# Altium PCB Evaluation Board.PcbDoc (part 7 of 22) (continued)
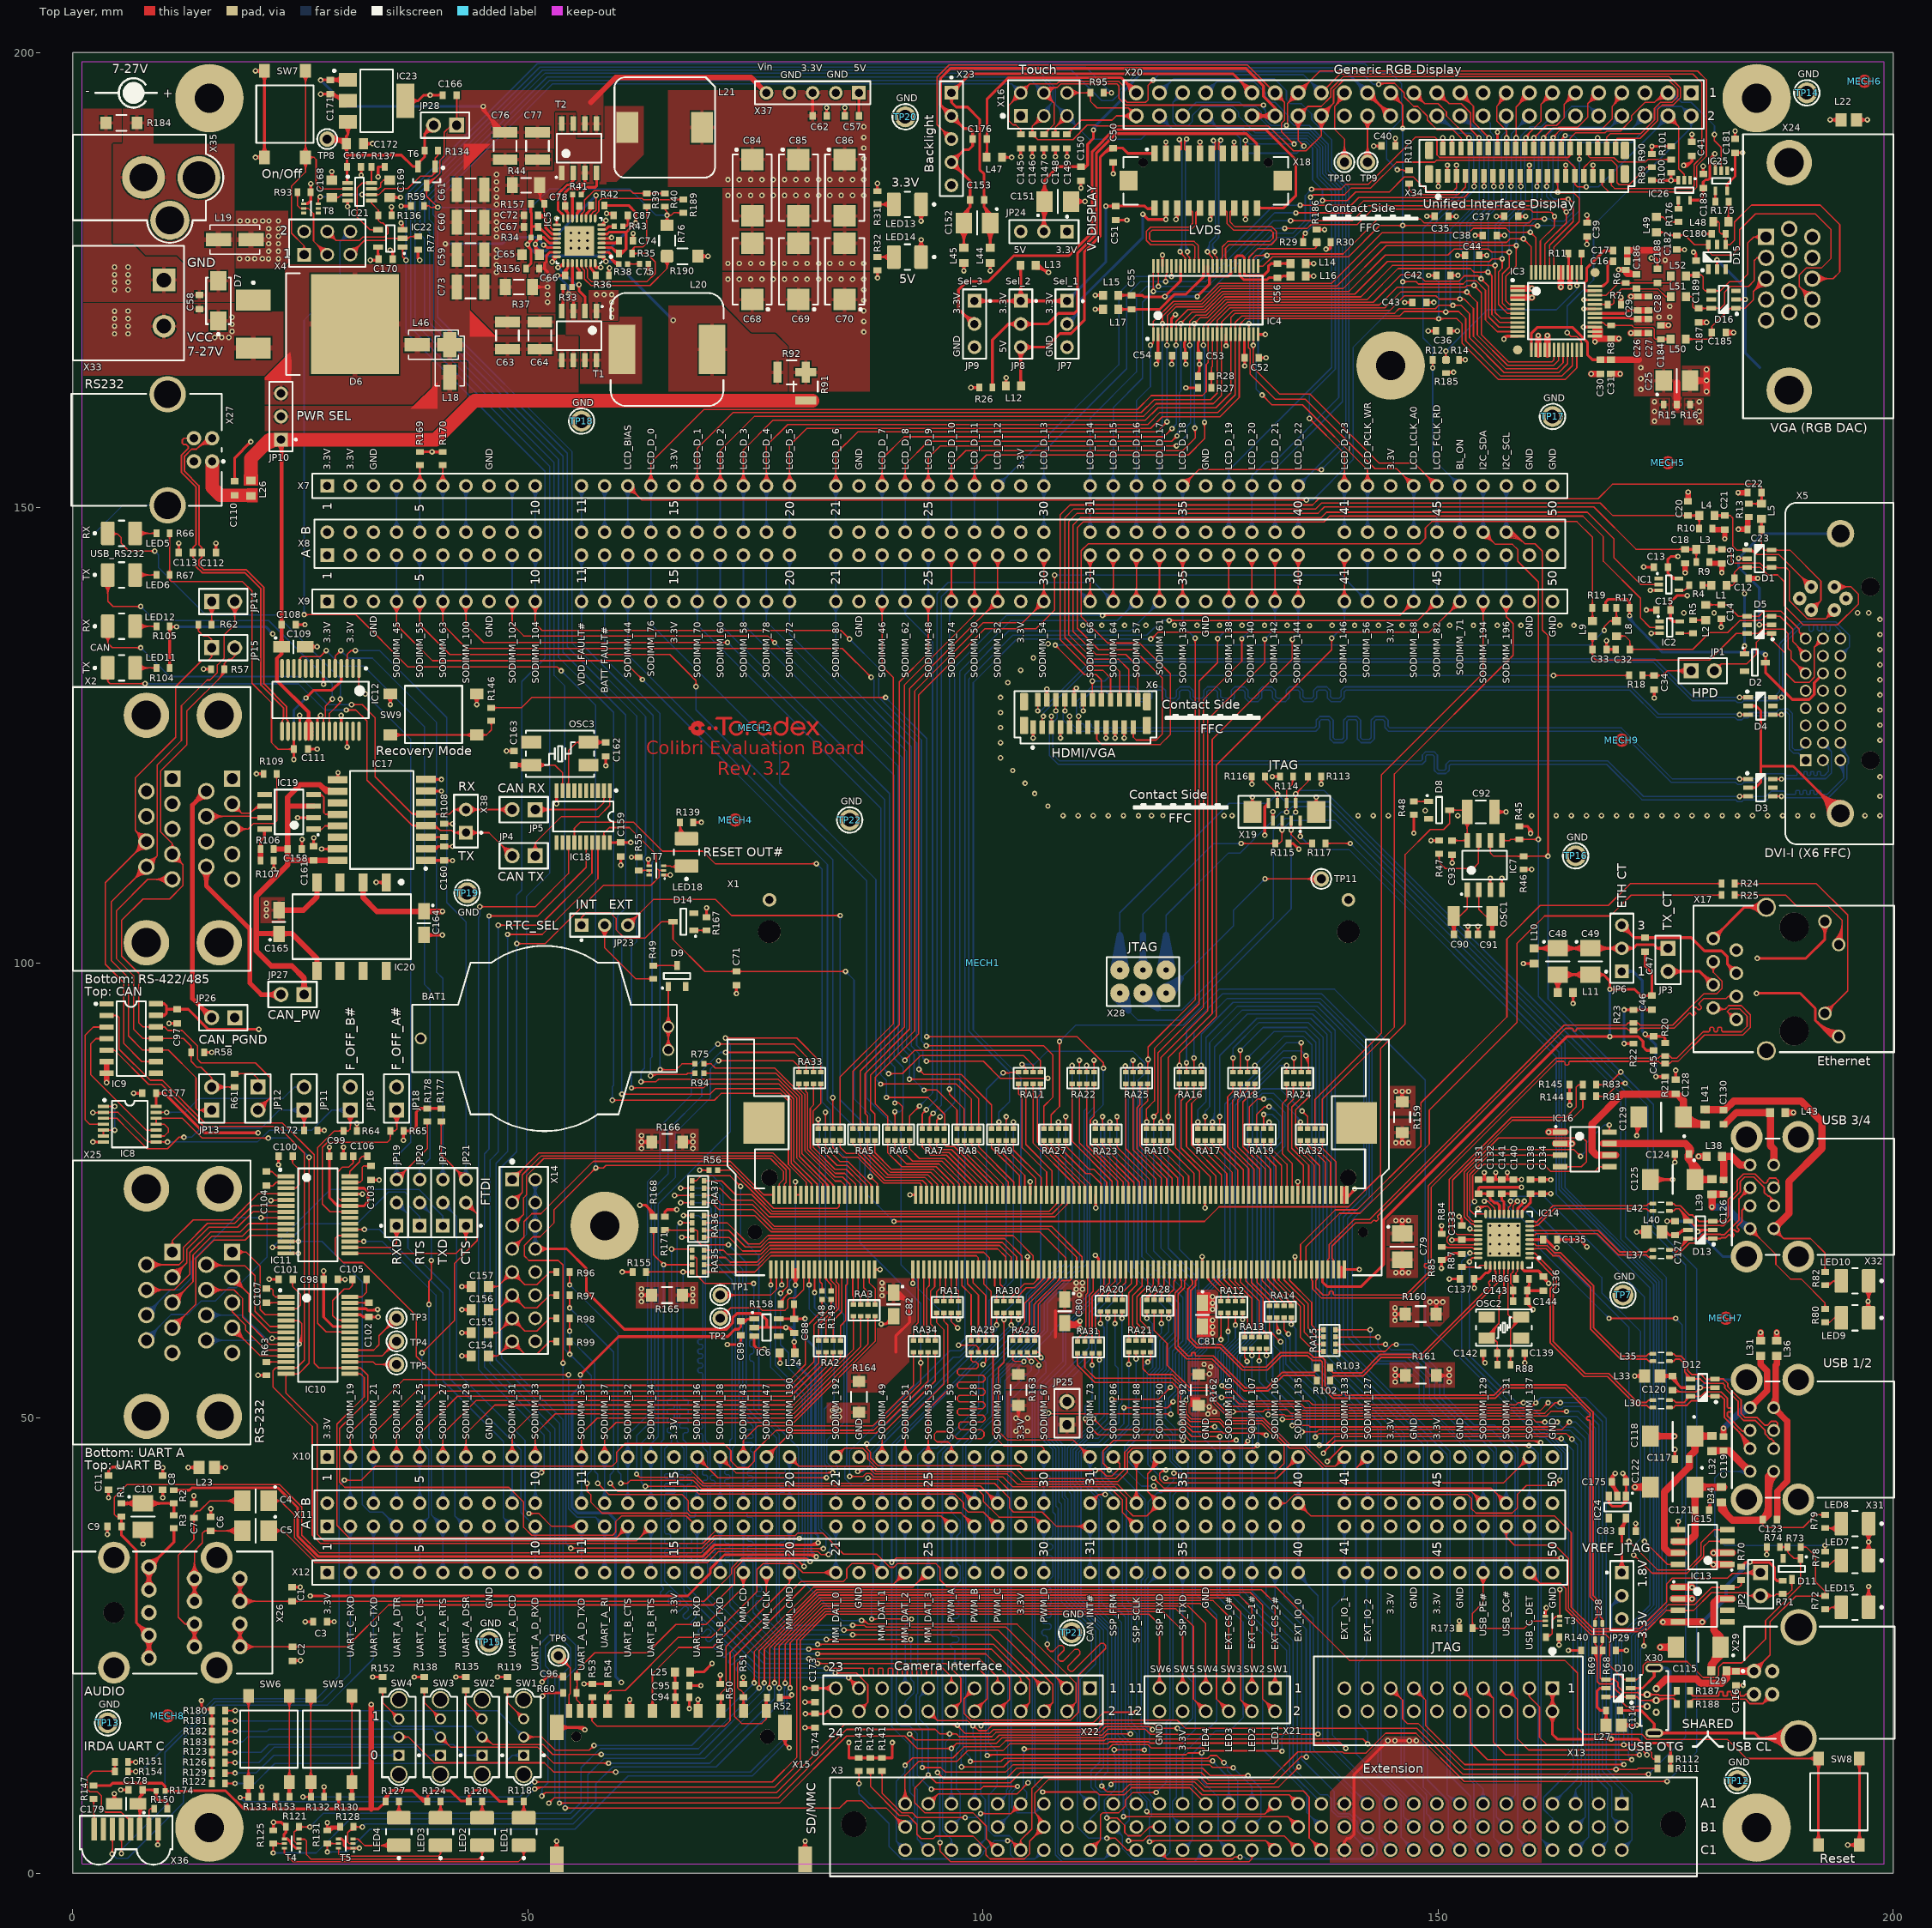
[diagram p0: Top Layer view]
## Nets (pads, with @x,y where several pads share a name; then routed paths per layer and width w, separated by ;. In a path a pad name is that pad's centre, name@x,y a point inside that pad or via, vN(x,y) a via of type N, cw(c..) or ccw(c..) an arc to the next point about the centre after c; other vN are vias at no path point) (continued)
  Bottom Layer w0.15: v2(98.031,6.116) 99.284,6.116 v2(99.72,6.553) ; v2@98.19,5.957 cw(c98.574,5.573) 98.574,6.116 cw(c98.574,6.66) v2@98.19,6.275 ; v2@99.495,6.553 cw(c98.952,6.553) 99.336,6.169 cw(c99.72,5.785) v2@99.72,6.328 ; X3.A27@104.14,7.62 104.79,8.27 104.79,8.906 104.41,9.286 104.41,13.529 v1(104.521,13.64) ; v1@104.362,13.481 cw(c103.978,13.097) 104.521,13.097 cw(c105.064,13.097) v1@104.68,13.481 ; X12.37@126.523,32.543 cw(c125.37,31.39) 127,31.39 cw(c128.63,31.39) X12.37@127.477,32.543 ; X12.37@126.523,33.497 ccw(c125.37,34.65) 127,34.65 ccw(c128.63,34.65) X12.37@127.477,33.497 ; X11.A37@126.523,37.623 cw(c125.37,36.47) 127,36.47 cw(c128.63,36.47) X11.A37@127.477,37.623 ; X12.37@126.629,32.649 cw(c125.733,31.753) 127,31.753 cw(c128.267,31.753) X12.37@127.371,32.649 ; X12.37@126.629,33.391 ccw(c125.733,34.287) 127,34.287 ccw(c128.267,34.287) X12.37@127.371,33.391 ; X11.A37@126.629,37.729 cw(c125.733,36.833) 127,36.833 cw(c128.267,36.833) X11.A37@127.371,37.729 ; X12.37@126.735,32.755 cw(c126.095,32.115) 127,32.115 cw(c127.905,32.115) X12.37@127.265,32.755 ; X12.37@126.735,33.285 ccw(c126.095,33.925) 127,33.925 ccw(c127.905,33.925) X12.37@127.265,33.285 ; X11.A37@126.735,37.835 cw(c126.095,37.195) 127,37.195 cw(c127.905,37.195) X11.A37@127.265,37.835 ; X11.A37@127,38.1 X12.37@127,33.02 127,30.827 133.35,24.477 133.35,15.525 132.85,15.025 v1(132.85,13.4) ; v1@132.691,13.559 ccw(c132.307,13.943) 132.85,13.943 ccw(c133.393,13.943) v1@133.009,13.559
EXT_CS_1#: R142.1 X3.B26 X11.A38 X12.38 | length 124.1
  Top Layer w0.15: R142.1@87.453,11.036 cw(c87.026,10.609) 87.63,10.609 cw(c88.234,10.609) R142.1@87.807,11.036 ; R142.1@87.63,11.213 87.63,9.52 90.805,6.345 91.755,6.345 92.735,5.365 92.735,4.267 93.198,3.805 94.534,3.805 94.793,4.064 98.915,4.064 100.325,2.654 100.325,2.012 100.772,1.565 104.544,1.565 105.115,2.136 105.115,3.515 X3.B26@106.68,5.08 106.68,5.67 105.705,6.645 ; 105.879,6.471 cw(c105.017,5.608) X3.B26@106.18,5.239 ; X3.B26@106.005,5.08 cw(c104.375,5.08) 105.528,3.928 cw(c106.68,2.775) X3.B26@106.68,4.405 ; X3.B26@106.037,5.284 ccw(c104.752,5.692) 105.705,6.645 ; 106.054,6.296 cw(c105.282,5.524) X3.B26@106.323,5.193 ; X3.B26@106.155,5.08 cw(c104.888,5.08) 105.784,4.184 cw(c106.68,3.288) X3.B26@106.68,4.555 ; 106.228,6.122 cw(c105.546,5.44) X3.B26@106.466,5.148 ; X3.B26@106.305,5.08 cw(c105.4,5.08) 106.04,4.44 cw(c106.68,3.8) X3.B26@106.68,4.705 ; 106.403,5.947 cw(c105.811,5.356) X3.B26@106.609,5.103 ; v1@134.471,11.684 cw(c133.928,11.684) 134.312,11.3 cw(c134.696,10.916) v1@134.696,11.459 ; v1(134.696,11.684) 132.487,9.475 124.375,9.475 123.525,10.325 107.22,10.325 105.705,8.81 105.705,6.645
  Bottom Layer w0.15: X12.38@129.063,32.543 cw(c127.91,31.39) 129.54,31.39 cw(c131.17,31.39) X12.38@130.017,32.543 ; X12.38@129.063,33.497 ccw(c127.91,34.65) 129.54,34.65 ccw(c131.17,34.65) X12.38@130.017,33.497 ; X11.A38@129.063,37.623 cw(c127.91,36.47) 129.54,36.47 cw(c131.17,36.47) X11.A38@130.017,37.623 ; X12.38@129.169,32.649 cw(c128.273,31.753) 129.54,31.753 cw(c130.807,31.753) X12.38@129.911,32.649 ; X12.38@129.169,33.391 ccw(c128.273,34.287) 129.54,34.287 ccw(c130.807,34.287) X12.38@129.911,33.391 ; X11.A38@129.169,37.729 cw(c128.273,36.833) 129.54,36.833 cw(c130.807,36.833) X11.A38@129.911,37.729 ; X12.38@129.275,32.755 cw(c128.635,32.115) 129.54,32.115 cw(c130.445,32.115) X12.38@129.805,32.755 ; X12.38@129.275,33.285 ccw(c128.635,33.925) 129.54,33.925 ccw(c130.445,33.925) X12.38@129.805,33.285 ; X11.A38@129.275,37.835 cw(c128.635,37.195) 129.54,37.195 cw(c130.445,37.195) X11.A38@129.805,37.835 ; X11.A38@129.54,38.1 X12.38@129.54,33.02 129.54,30.985 134.55,25.975 134.55,11.83 v1(134.696,11.684) ; 134.55,12.218 ccw(c135.23,12.218) v1@134.749,11.737 ; 134.55,12.58 ccw(c135.592,12.58) v1@134.855,11.843
EXT_CS_2#: R143.1 X3.C27 X11.A39 X12.39 | length 123.1
  Top Layer w0.15: R143.1@86.183,11.036 cw(c85.756,10.609) 86.36,10.609 cw(c86.964,10.609) R143.1@86.537,11.036 ; v2@86.201,9.989 ccw(c85.817,10.373) 86.36,10.373 ccw(c86.903,10.373) v2@86.519,9.989 ; v2(86.36,9.83) R143.1@86.36,11.213 ; v2(102.697,3.553) 103.127,3.553 ; v2@102.882,3.425 cw(c103.127,3.257) 103.127,3.553 ; v2@102.882,3.681 ccw(c103.127,3.85) 103.127,3.553 ; X3.C27@103.468,2.603 ccw(c102.281,2.713) 103.124,3.556 ccw(c103.967,4.399) X3.C27@104.077,3.212 ; X3.C27@103.617,2.589 ccw(c102.694,2.675) 103.35,3.33 ccw(c104.005,3.986) X3.C27@104.091,3.063 ; X3.C27@103.767,2.575 ccw(c103.107,2.636) 103.576,3.104 ccw(c104.044,3.573) X3.C27@104.105,2.913 ; X3.C27@103.838,3.144 ccw(c103.594,3.632) 104.14,3.632 ; X3.C27@103.905,3.01 ccw(c103.715,3.389) 104.14,3.389 ccw(c104.565,3.389) X3.C27@104.375,3.01 ; X3.C27@104.442,3.144 cw(c104.686,3.632) 104.14,3.632 ; 135.106,12.802 ccw(c135.106,13.169) v1@135.366,12.909 ; v1@135.354,12.604 ccw(c134.925,12.237) 134.925,12.802 ; v1(135.525,12.75) 135.525,12.757 135.48,12.802 134.925,12.802 ; 103.127,3.553 X3.C27@104.14,2.54 104.14,3.632 ; 104.14,3.632 105.359,4.851 105.359,9.284 106.7,10.625 123.8,10.625 124.575,9.85 131.973,9.85 134.925,12.802
  Bottom Layer w0.15: v2@86.201,9.671 cw(c85.817,9.287) 86.36,9.287 cw(c86.903,9.287) v2@86.519,9.671 ; v2(86.36,9.83) 86.36,8.763 89.662,5.461 89.662,2.939 91.036,1.565 99.464,1.565 100.035,2.136 100.035,2.354 101.235,3.553 v2(102.697,3.553) ; v2@102.538,3.394 ccw(c102.154,3.01) 102.154,3.553 ccw(c102.154,4.097) v2@102.538,3.713 ; X12.39@131.603,32.543 cw(c130.45,31.39) 132.08,31.39 cw(c133.71,31.39) X12.39@132.557,32.543 ; X12.39@131.603,33.497 ccw(c130.45,34.65) 132.08,34.65 ccw(c133.71,34.65) X12.39@132.557,33.497 ; X11.A39@131.603,37.623 cw(c130.45,36.47) 132.08,36.47 cw(c133.71,36.47) X11.A39@132.557,37.623 ; X12.39@131.709,32.649 cw(c130.813,31.753) 132.08,31.753 cw(c133.347,31.753) X12.39@132.451,32.649 ; X12.39@131.709,33.391 ccw(c130.813,34.287) 132.08,34.287 ccw(c133.347,34.287) X12.39@132.451,33.391 ; X11.A39@131.709,37.729 cw(c130.813,36.833) 132.08,36.833 cw(c133.347,36.833) X11.A39@132.451,37.729 ; X12.39@131.815,32.755 cw(c131.175,32.115) 132.08,32.115 cw(c132.985,32.115) X12.39@132.345,32.755 ; X12.39@131.815,33.285 ccw(c131.175,33.925) 132.08,33.925 ccw(c132.985,33.925) X12.39@132.345,33.285 ; X11.A39@131.815,37.835 cw(c131.175,37.195) 132.08,37.195 cw(c132.985,37.195) X11.A39@132.345,37.835 ; X11.A39@132.08,38.1 X12.39@132.08,33.02 132.08,30.22 135.5,26.8 135.5,12.981 v1@135.679,12.802 ; v1@135.366,12.909 ccw(c135.042,13.233) 135.5,13.233 ; 135.5,13.354 ccw(c136.129,13.354) v1@135.684,12.909
EXT_GREEN: C187.1 D16.6 L51.2 X24.2 | length 18.5
  Top Layer w0.15: L51.2@177.264,173.226 L51.2@177.235,173.197 177.853,173.197 ; L51.2@177.548,173.019 cw(c177.853,172.846) 177.853,173.197 ; L51.2@177.548,173.375 ccw(c177.853,173.548) 177.853,173.197 ; C187.1@178.318,171.782 ccw(c178.13,171.693) 178.13,171.901 ; C187.1@178.318,172.019 cw(c178.13,172.109) 178.13,171.901 ; C187.1@178.91,171.706 cw(c179.38,171.237) 179.38,171.901 cw(c179.38,172.565) C187.1@178.91,172.095 ; 179.248,171.901 ccw(c179.248,172.409) D16.6@179.607,172.05 ; 179.369,171.901 cw(c179.369,171.564) D16.6@179.607,171.802 ; D16.6@180.405,171.802 cw(c180.703,171.503) 180.703,171.926 cw(c180.703,172.348) D16.6@180.405,172.05 ; X24.2@185.22,177.293 ccw(c185.027,177.255) 185.027,177.452 ; X24.2@185.22,177.611 cw(c185.027,177.649) 185.027,177.452 ; X24.2@186.03,177.452 185.027,177.452 ; 177.853,173.197 177.975,173.075 177.975,172.056 178.13,171.901 ; 178.13,171.901 C187.1@178.641,171.901 179.981,171.901 D16.6@180.006,171.926 181.051,171.926 181.475,172.35 181.475,173.688 182.112,174.325 184.1,174.325 184.725,174.95 184.725,177.15 185.027,177.452
EXT_HSYNC: C180.1 D15.4 L48.2 X24.13 | length 41.3
  Top Layer w0.15: L48.2@180.222,181.406 180.794,181.406 ; L48.2@180.547,181.25 cw(c180.794,181.132) 180.794,181.406 ; L48.2@180.547,181.562 ccw(c180.794,181.68) 180.794,181.406 ; C180.1@181.357,179.939 ccw(c181.089,179.769) 181.089,180.086 ; C180.1@181.357,180.233 cw(c181.089,180.403) 181.089,180.086 ; C180.1@181.395,179.817 cw(c180.925,179.347) 181.589,179.347 cw(c182.253,179.347) C180.1@181.783,179.817 ; D15.4@181.465,179.295 ccw(c181.167,179.593) 181.589,179.593 ccw(c182.011,179.593) D15.4@181.713,179.295 ; D15.4@181.713,178.772 cw(c182.011,178.474) 182.011,178.896 cw(c182.011,179.318) D15.4@181.713,179.02 ; X24.13@191.11,175.162 193.387,175.162 194.125,175.9 194.125,181.1 191.975,183.25 184.425,183.25 182.562,181.387 182.562,179.387 182.071,178.896 181.704,178.896 181.589,179.011 C180.1@181.589,180.086 181.089,180.086 ; X24.13@191.375,174.897 cw(c192.015,174.257) 192.015,175.162 cw(c192.015,176.067) X24.13@191.375,175.427 ; X24.13@191.481,174.791 cw(c192.377,173.895) 192.377,175.162 cw(c192.377,176.429) X24.13@191.481,175.533 ; X24.13@191.587,174.685 cw(c192.74,173.532) 192.74,175.162 cw(c192.74,176.792) X24.13@191.587,175.639 ; X24.13@191.693,174.579 cw(c193.102,173.17) 193.102,175.162 cw(c193.102,177.154) X24.13@191.693,175.745 ; 180.794,181.406 180.925,181.275 180.925,180.25 181.089,180.086
EXT_IO_0: X3.C31 X11.A40 X12.40 | length 112
  Top Layer w0.15: v1@91.925,15.05 cw(c91.925,14.507) 92.309,14.891 cw(c92.693,15.275) v1@92.15,15.275 ; v1(91.925,15.275) 92.575,14.625 101.225,14.625 101.773,15.173 113.073,15.173 113.715,15.816 117.833,15.816 118.401,15.248 136.773,15.248 v1(136.8,15.275) ; 136.193,15.248 ccw(c136.193,15.882) v1@136.641,15.434 ; 136.321,15.248 cw(c136.321,14.796) v1@136.641,15.116
  Bottom Layer w0.15: v1(91.925,15.275) 91.944,15.275 92.325,14.894 ; v1@91.932,15.05 cw(c91.949,14.518) 92.325,14.894 ; v1@92.15,15.275 ccw(c92.646,15.275) 92.295,14.924 ; X3.C31@93.305,2.54 ccw(c91.675,2.54) 92.828,3.692 ccw(c93.98,4.845) X3.C31@93.98,3.215 ; X3.C31@93.455,2.54 ccw(c92.188,2.54) 93.084,3.436 ccw(c93.98,4.332) X3.C31@93.98,3.065 ; X3.C31@93.605,2.54 ccw(c92.7,2.54) 93.34,3.18 ccw(c93.98,3.82) X3.C31@93.98,2.915 ; X3.C31@93.98,2.54 92.773,3.747 92.773,9.176 92.325,9.624 92.325,14.894 ; X12.40@134.143,33.497 ccw(c132.99,34.65) 134.62,34.65 ccw(c136.25,34.65) X12.40@135.097,33.497 ; X11.A40@134.143,37.623 cw(c132.99,36.47) 134.62,36.47 cw(c136.25,36.47) X11.A40@135.097,37.623 ; X12.40@134.249,33.391 ccw(c133.353,34.287) 134.62,34.287 ccw(c135.887,34.287) X12.40@134.991,33.391 ; X11.A40@134.249,37.729 cw(c133.353,36.833) 134.62,36.833 cw(c135.887,36.833) X11.A40@134.991,37.729 ; X12.40@134.355,33.285 ccw(c133.715,33.925) 134.62,33.925 ccw(c135.525,33.925) X12.40@134.885,33.285 ; X11.A40@134.355,37.835 cw(c133.715,37.195) 134.62,37.195 cw(c135.525,37.195) X11.A40@134.885,37.835 ; X12.40@134.62,32.345 cw(c134.62,31.548) 135.183,32.112 ; X11.A40@134.62,38.1 X12.40@134.62,33.02 134.62,32.675 136.804,30.491 136.804,15.277 136.803,15.275 v1(136.8,15.275) ; X12.40@134.695,33.02 ccw(c135.709,33.02) 134.992,32.303 ; X12.40@134.845,33.02 ccw(c136.221,33.02) 135.248,32.047 ; X12.40@134.995,33.02 ccw(c136.733,33.02) 135.504,31.791 ; X12.40@135.145,33.02 ccw(c137.245,33.02) 135.76,31.535 ; X12.40@135.295,33.02 ccw(c137.757,33.02) 136.016,31.279 ; v1@136.641,15.434 ccw(c136.246,15.829) 136.804,15.829 ; 136.804,15.808 ccw(c137.333,15.808) v1@136.959,15.434
EXT_IO_1: X3.A32 X11.A41 X12.41 | length 104.5
  Top Layer w0.15: X3.A32@90.963,8.097 ccw(c89.851,9.209) 91.423,9.209 ; X3.A32@91.069,7.991 ccw(c90.214,8.846) 91.423,8.846 ; X3.A32@91.175,7.885 ccw(c90.576,8.484) 91.423,8.484 ; 91.423,8.566 ccw(c92.386,8.566) X3.A32@91.705,7.885 ; 91.423,8.929 ccw(c92.749,8.929) X3.A32@91.811,7.991 ; 91.423,9.291 ccw(c93.111,9.291) X3.A32@91.917,8.097 ; X3.A32@91.44,7.62 91.423,7.637 91.423,10.758 92.947,12.283 97.133,12.283 98.3,13.45 102.175,13.45 102.925,14.2 113.65,14.2 113.882,14.432 118.231,14.432 118.371,14.292 139.277,14.292 v1(139.852,13.716) ; v1@139.627,13.716 ccw(c139.084,13.716) 139.468,14.1 ccw(c139.852,14.484) v1@139.852,13.941
  Bottom Layer w0.15: X12.41@139.223,32.543 cw(c138.07,31.39) 139.7,31.39 cw(c141.33,31.39) X12.41@140.177,32.543 ; X12.41@139.223,33.497 ccw(c138.07,34.65) 139.7,34.65 ccw(c141.33,34.65) X12.41@140.177,33.497 ; X11.A41@139.223,37.623 cw(c138.07,36.47) 139.7,36.47 cw(c141.33,36.47) X11.A41@140.177,37.623 ; X12.41@139.329,32.649 cw(c138.433,31.753) 139.7,31.753 cw(c140.967,31.753) X12.41@140.071,32.649 ; X12.41@139.329,33.391 ccw(c138.433,34.287) 139.7,34.287 ccw(c140.967,34.287) X12.41@140.071,33.391 ; X11.A41@139.329,37.729 cw(c138.433,36.833) 139.7,36.833 cw(c140.967,36.833) X11.A41@140.071,37.729 ; X12.41@139.435,32.755 cw(c138.795,32.115) 139.7,32.115 cw(c140.605,32.115) X12.41@139.965,32.755 ; X12.41@139.435,33.285 ccw(c138.795,33.925) 139.7,33.925 ccw(c140.605,33.925) X12.41@139.965,33.285 ; X11.A41@139.435,37.835 cw(c138.795,37.195) 139.7,37.195 cw(c140.605,37.195) X11.A41@139.965,37.835 ; v1@139.627,13.716 ccw(c139.084,13.716) 139.468,14.1 ccw(c139.852,14.484) v1@139.852,13.941 ; X11.A41@139.7,38.1 X12.41@139.7,33.02 139.7,30.475 138.379,29.154 138.379,15.189 v1(139.852,13.716)
EXT_IO_2: X3.C32 X11.A42 X12.42 | length 113.4
  Top Layer w0.15: v1(91.425,11.85) 92.25,12.675 96.69,12.675 97.89,13.875 101.8,13.875 102.498,14.573 113.329,14.573 113.487,14.732 141.732,14.732 v1(142.265,14.199) ; v1@91.425,12.075 ccw(c91.425,12.618) 91.809,12.234 ccw(c92.193,11.85) v1@91.65,11.85 ; v1@142.04,14.199 ccw(c141.497,14.199) 141.881,14.583 ccw(c142.265,14.967) v1@142.265,14.424
  Bottom Layer w0.15: X3.C32@90.77,2.624 ccw(c89.708,2.758) 90.465,3.515 ; X3.C32@90.919,2.606 ccw(c90.093,2.709) 90.682,3.298 ccw(c91.271,3.887) X3.C32@91.374,3.061 ; X3.C32@91.068,2.587 ccw(c90.478,2.661) 90.898,3.082 ccw(c91.319,3.502) X3.C32@91.393,2.912 ; v1@91.266,11.691 cw(c90.907,11.332) 91.415,11.332 ; X3.C32@91.356,3.21 cw(c91.222,4.272) 90.465,3.515 ; 91.415,11.282 cw(c91.993,11.282) v1@91.584,11.691 ; v1@91.415,11.85 91.415,11.04 90.465,10.091 90.465,3.515 ; X3.C32@91.44,2.54 90.465,3.515 ; X12.42@141.763,32.543 cw(c140.948,31.728) 142.1,31.728 ; X12.42@141.763,33.497 ccw(c140.61,34.65) 142.24,34.65 ccw(c143.87,34.65) X12.42@142.717,33.497 ; X11.A42@141.763,37.623 cw(c140.61,36.47) 142.24,36.47 cw(c143.87,36.47) X11.A42@142.717,37.623 ; X12.42@141.869,32.649 cw(c141.311,32.091) 142.1,32.091 ; X12.42@141.869,33.391 ccw(c140.973,34.287) 142.24,34.287 ccw(c143.507,34.287) X12.42@142.611,33.391 ; X11.A42@141.869,37.729 cw(c140.973,36.833) 142.24,36.833 cw(c143.507,36.833) X11.A42@142.611,37.729 ; X12.42@141.975,33.285 ccw(c141.335,33.925) 142.24,33.925 ccw(c143.145,33.925) X12.42@142.505,33.285 ; X11.A42@141.975,37.835 cw(c141.335,37.195) 142.24,37.195 cw(c143.145,37.195) X11.A42@142.505,37.835 ; 142.1,31.052 cw(c144.208,31.052) X12.42@142.717,32.543 ; 142.1,31.415 cw(c143.845,31.415) X12.42@142.611,32.649 ; 142.1,31.777 cw(c143.483,31.777) X12.42@142.505,32.755 ; 142.1,32.139 cw(c143.121,32.139) X12.42@142.399,32.861 ; v1@142.106,14.358 ccw(c141.722,14.742) 142.265,14.742 ccw(c142.809,14.742) v1@142.424,14.358 ; X11.A42@142.24,38.1 X12.42@142.24,33.02 142.1,32.88 142.1,23.975 141.265,23.14 141.265,16.494 142.265,15.494 v1(142.265,14.199)
EXT_RED: C189.1 D16.4 L52.2 X24.1 | length 23.9
  Top Layer w0.15: L52.2@177.235,175.454 177.356,175.575 C189.1@178.316,175.576 ; L52.2@177.383,175.371 cw(c177.876,174.878) 177.876,175.575 ; L52.2@177.489,175.265 cw(c178.239,174.516) C189.1@178.239,175.575 ; L52.2@177.489,175.774 ccw(c177.969,176.254) C189.1@177.969,175.575 ; L52.2@177.575,175.575 ccw(c177.575,176.242) C189.1@178.047,175.77 ; L52.2@177.579,175.575 cw(c177.579,174.914) C189.1@178.047,175.381 ; C189.1@177.986,175.679 cw(c177.601,175.834) 177.709,175.433 cw(c177.816,175.032) C189.1@178.072,175.359 ; C189.1@178.002,175.439 ccw(c177.641,175.232) 177.749,175.634 ccw(c177.812,175.871) C189.1@178.015,175.732 ; C189.1@178.316,175.576 178.924,175.576 ; C189.1@178.615,175.416 cw(c178.924,175.197) 178.924,175.576 ; C189.1@178.615,175.735 ccw(c178.924,175.955) 178.924,175.576 ; D16.4@179.598,173.712 ccw(c179.349,173.497) 179.349,173.826 ; D16.4@179.598,173.94 cw(c179.349,174.155) 179.349,173.826 ; D16.4@180.405,173.702 cw(c180.703,173.403) 180.703,173.826 cw(c180.703,174.248) D16.4@180.405,173.95 ; X24.1@185.299,179.359 ccw(c184.667,179.029) 184.667,179.742 ; X24.1@185.299,180.125 cw(c184.667,180.455) 184.667,179.742 ; X24.1@185.432,179.429 ccw(c184.915,179.158) 184.915,179.742 ccw(c184.915,180.326) X24.1@185.432,180.055 ; X24.1@186.03,179.742 184.667,179.742 ; 178.924,175.576 179.1,175.4 179.1,174.075 179.349,173.826 ; 179.349,173.826 D16.4@180.006,173.826 181,173.826 182.018,174.844 183.219,174.844 184.025,175.65 184.025,179.1 184.667,179.742
EXT_VSYNC: C182.1 D15.6 L49.2 X24.14 | length 49.7
  Top Layer w0.15: L49.2@173.99,180.262 174.888,180.262 ; L49.2@174.208,180.118 cw(c174.541,179.805) 174.541,180.262 cw(c174.541,180.719) L49.2@174.208,180.406 ; L49.2@174.317,180.015 cw(c174.888,179.478) 174.888,180.262 ; L49.2@174.317,180.509 ccw(c174.888,181.046) 174.888,180.262 ; 175.305,179.975 cw(c175.305,179.055) C182.1@175.956,179.706 ; C182.1@175.956,180.094 cw(c175.667,180.383) 175.667,179.975 cw(c175.667,179.417) C182.1@176.062,179.812 ; C182.1@176.392,179.815 cw(c176.757,179.478) 176.757,179.975 ; C182.1@176.494,180.094 ccw(c176.783,180.383) 176.783,179.975 ; C182.1@176.502,179.713 cw(c177.1,179.161) 177.1,179.975 ; D15.6@179.565,178.497 cw(c179.267,178.199) 179.689,178.199 cw(c180.111,178.199) D15.6@179.813,178.497 ; D15.6@179.565,178.772 ccw(c179.267,178.474) 179.267,178.896 ccw(c179.267,179.318) D15.6@179.565,179.02 ; 189.696,174.294 cw(c188.274,172.872) X24.14@190.285,172.872 ; 189.715,174.275 ccw(c191.11,175.669) X24.14@191.11,173.697 ; 189.952,174.038 cw(c188.786,172.872) X24.14@190.435,172.872 ; 189.971,174.019 ccw(c191.11,175.157) X24.14@191.11,173.547 ; 190.208,173.782 cw(c189.298,172.872) X24.14@190.585,172.872 ; 190.227,173.763 ccw(c191.11,174.645) X24.14@191.11,173.397 ; 190.464,173.526 cw(c189.81,172.872) X24.14@190.735,172.872 ; X24.14@191.11,172.88 189.675,174.315 189.675,175.566 190.436,176.327 192.102,176.327 193.175,177.4 193.175,180.55 191.45,182.275 184.875,182.275 183.125,180.525 183.125,178.6 182.3,177.775 180.075,177.775 179.689,178.161 D15.6@179.689,178.896 178.179,178.896 177.1,179.975 ; 174.888,180.262 175.175,179.975 177.1,179.975
F_OFF_A#: IC11.22 JP18.1 R65.2 | length 30.3
  Top Layer w0.15: 29.345,72.65 cw(c29.345,72.271) IC11.22@29.613,72.539 ; 29.369,72.65 ccw(c29.369,72.995) IC11.22@29.613,72.751 ; IC11.22@30.419,72.65 28.261,72.65 27.4,73.511 27.4,79.725 27.975,80.3 34.55,80.3 34.871,80.621 R65.2@34.871,81.534 35.375,81.534 ; R65.2@34.694,81.257 cw(c34.267,80.83) 34.871,80.83 cw(c35.475,80.83) R65.2@35.048,81.257 ; JP18.1@35.03,83.29 cw(c33.662,81.922) 35.596,81.922 ; R65.2@35.07,81.383 cw(c35.375,81.151) 35.375,81.534 ; R65.2@35.07,81.685 ccw(c35.375,81.917) 35.375,81.534 ; JP18.1@35.136,83.396 cw(c34.025,82.285) 35.596,82.285 ; JP18.1@35.242,83.502 cw(c34.387,82.647) 35.596,82.647 ; 35.596,82.096 cw(c37.284,82.096) JP18.1@36.09,83.29 ; 35.596,82.458 cw(c36.922,82.458) JP18.1@35.984,83.396 ; 35.596,82.821 cw(c36.559,82.821) JP18.1@35.878,83.502 ; JP18.1@35.596,83.82 35.596,81.755 35.375,81.534
F_OFF_B#: IC8.2 IC8.8 IC10.22 JP16.1 R64.1 | length 79.9
  Top Layer w0.15: v1(2.197,83.55) 3.319,83.55 IC8.2@3.344,83.575 4.949,83.575 8.199,80.325 IC8.8@9.144,80.325 v1(10.397,80.325) ; 2.58,83.55 ccw(c2.58,83.889) IC8.2@2.82,83.649 ; 2.701,83.55 cw(c2.701,83.382) IC8.2@2.82,83.501 ; IC8.2@3.868,83.501 cw(c4.047,83.321) 4.047,83.575 cw(c4.047,83.828) IC8.2@3.868,83.649 ; IC8.8@8.62,80.251 ccw(c8.44,80.071) 8.44,80.325 ccw(c8.44,80.578) IC8.8@8.62,80.399 ; IC8.8@9.668,80.251 cw(c9.847,80.071) 9.847,80.325 cw(c9.847,80.578) IC8.8@9.668,80.399 ; v1@10.238,80.166 ccw(c9.854,79.782) 9.854,80.325 ccw(c9.854,80.868) v1@10.238,80.484 ; 29.19,59.475 cw(c29.19,58.877) IC10.22@29.613,59.3 ; R64.1@29.578,81.357 ccw(c29.151,80.93) 29.151,81.534 ccw(c29.151,82.138) R64.1@29.578,81.711 ; JP16.1@29.95,83.29 cw(c28.669,82.009) 30.48,82.009 cw(c32.291,82.009) JP16.1@31.01,83.29 ; R64.1@29.954,81.383 cw(c30.259,81.151) 30.259,81.534 ; R64.1@29.954,81.685 ccw(c30.259,81.917) 30.259,81.534 ; JP16.1@30.056,83.396 cw(c29.031,82.371) 30.48,82.371 cw(c31.929,82.371) JP16.1@30.904,83.396 ; JP16.1@30.162,83.502 cw(c29.394,82.734) 30.48,82.734 cw(c31.566,82.734) JP16.1@30.798,83.502 ; IC10.22@30.419,59.406 30.35,59.475 27.825,59.475 26.9,60.4 26.9,79.7 28.734,81.534 R64.1@29.755,81.534 30.259,81.534 ; JP16.1@30.48,83.82 30.48,81.755 30.259,81.534
  Bottom Layer w0.15: v1(10.397,80.325) 20.275,80.325 21.575,81.625 26.25,81.625 28.445,83.82 JP16.1@30.48,83.82 ; v1@10.556,80.166 cw(c10.94,79.782) 10.94,80.325 cw(c10.94,80.868) v1@10.556,80.484 ; JP16.1@29.95,83.29 ccw(c28.669,82.009) 28.669,83.82 ccw(c28.669,85.631) JP16.1@29.95,84.35 ; JP16.1@30.056,83.396 ccw(c29.031,82.371) 29.031,83.82 ccw(c29.031,85.269) JP16.1@30.056,84.244 ; JP16.1@30.162,83.502 ccw(c29.394,82.734) 29.394,83.82 ccw(c29.394,84.906) JP16.1@30.162,84.138
FORCE_OFF#: IC22.2 R77.1 X4.5 | length 17.7
  Top Layer w0.15: X4.5@30.48,177.8 32.034,179.354 34.262,179.354 34.486,179.578 IC22.2@36.224,179.578 36.839,179.578 ; X4.5@30.48,178.175 ccw(c30.48,179.08) 31.12,178.44 ccw(c31.76,177.8) X4.5@30.855,177.8 ; X4.5@30.48,178.325 ccw(c30.48,179.592) 31.376,178.696 ccw(c32.272,177.8) X4.5@31.005,177.8 ; X4.5@30.48,178.475 ccw(c30.48,180.105) 31.632,178.952 ccw(c32.785,177.8) X4.5@31.155,177.8 ; IC22.2@35.815,179.419 ccw(c35.431,179.035) 35.431,179.578 ccw(c35.431,180.121) IC22.2@35.815,179.737 ; IC22.2@36.427,179.52 ccw(c36.603,179.737) 36.801,179.539 ; IC22.2@36.521,179.636 ccw(c36.708,179.867) 36.918,179.657 ; IC22.2@36.616,179.753 ccw(c36.814,179.997) 37.036,179.775 ; IC22.2@36.675,179.477 cw(c36.839,179.394) 36.839,179.578 ; IC22.2@36.675,179.679 ccw(c36.839,179.762) 36.839,179.578 ; 37.17,179.775 ccw(c37.17,180.447) R77.1@37.645,179.972 ; 37.267,179.775 cw(c37.267,179.24) R77.1@37.645,179.618 ; R77.1@37.9,179.775 37.036,179.775 ; 36.839,179.578 37.036,179.775
FTDI_3.3V: C111.2 IC12.4 IC12.17 R66.2 R67.2 | length 61.7
  Top Layer w0.15: R66.2@10.454,146.91 cw(c10.027,146.483) 10.631,146.483 cw(c11.235,146.483) R66.2@10.808,146.91 ; R67.2@10.501,142.302 cw(c10.358,142.069) 10.631,142.069 ; R67.2@10.631,142.615 R66.2@10.631,147.187 ; 10.631,144.665 10.631,142.069 ; R67.2@10.761,142.302 ccw(c10.904,142.069) 10.631,142.069 ; 23.591,123.475 ccw(c23.591,124.168) C111.2@24.081,123.678 ; 23.632,123.475 cw(c23.632,122.84) C111.2@24.081,123.289 ; C111.2@24.25,123.475 22.55,123.475 21.825,124.2 21.825,128.582 19.675,130.732 19.675,140.85 18.625,141.9 10.8,141.9 10.631,142.069 ; 10.631,143.318 ccw(c11.235,143.318) 10.808,142.892 cw(c11.235,143.318) 10.631,143.318 ; 10.631,143.318 cw(c10.027,143.318) 10.454,142.892 ccw(c10.027,143.318) 10.631,143.318
  Top Layer w0.3: C111.2@24.134,123.267 cw(c23.793,122.926) 24.275,122.926 cw(c24.758,122.926) C111.2@24.417,123.267 ; C111.2@24.134,123.7 ccw(c23.793,124.041) 24.275,124.041 ccw(c24.758,124.041) C111.2@24.417,123.7 ; v1@24.169,122.431 ccw(c23.913,122.687) 24.275,122.687 ccw(c24.638,122.687) v1@24.381,122.431 ; v1@24.275,122.35 C111.2@24.275,123.483 IC12.17@24.275,125.446 ; v2(25.6,129.1) 26.45,129.95 28.45,129.95 29.475,130.975 IC12.4@29.475,132.346 ; v2@25.6,129.25 ccw(c25.6,129.612) 25.856,129.356 ccw(c26.112,129.1) v2@25.75,129.1
  Bottom Layer w0.3: v1@24.169,122.431 ccw(c23.913,122.687) 24.275,122.687 ccw(c24.638,122.687) v1@24.381,122.431 ; v1(24.275,122.325) 24.275,127.775 v2(25.6,129.1) ; v2@25.45,129.1 cw(c25.088,129.1) 25.344,128.844 cw(c25.6,128.588) v2@25.6,128.95
GND: BAT1.2 C3.1 C8.1 C11.2 C12.2 C13.1 C14.2 C15.1 C18.2 C19.2 C20.2 C21.2 C22.2 C23.2 C25.2 C26.1 C27.1 C28.1 C29.1 C30.1 C31.1 C32.2 C33.2 C34.2 C35.1 C36.1 C37.1 C38.1 C39.1 C40.1 C41.1 C42.1 C43.1 C44.1 C50.1 C51.1 C52.1 C53.1 C54.1 C57.1 C59.1 C60.1 C61.1 C62.2 C63.1 C64.1 C65.1 C67.1 C68.2 C69.2 C70.2 C71.1 C72.1 C73.1 C74.1 C75.1 C76.1 C77.1 C79.2 C80.2 C81.2 C82.2 C83.1 C84.2 C85.2 C86.2 C87.1 C89.1 C90.2 C91.2 C92.1 C93.1 C94.1 C95.1 C96.1 C97.2 C98.1 C99.1 C100.2 C101.2 C102.1 C103.1 C108.1 C109.2 C110.1 C111.1 C112.1 C113.1 C115.2 C116.1 C117.1 C118.2 C121.1 C122.2 C124.1 C125.2 C128.1 C129.2 C131.1 C132.1 C133.1 C134.1 C135.1 C136.1 C137.1 C138.1 C139.1 C140.1 C141.1 C142.1 C143.1 C144.1 C145.1 C146.1 C147.1 C148.1 C149.1 C150.1 C151.2 C154.1 C155.1 C156.1 C157.1 C159.2 C160.1 C162.1 C163.1 C164.2 C166.1 C167.1 C168.1 C169.1 C170.2 C171.1 C172.1 C173.1 C174.1 C175.1 C177.1 C178.1 C179.2 C180.2 C181.1 C182.2 C183.1 C184.2 C185.2 C186.2 C187.2 C188.2 C189.2 IC1.3 IC2.3 IC3.1 IC3.2 IC3.3 IC3.4 IC3.12 IC3.14 IC3.15 IC3.16 IC3.17 IC3.25 IC3.26 IC3.27 IC3.31 IC3.33 IC3.39 IC3.40 IC3.41 IC3.42 IC4.5 IC4.11 IC4.17 IC4.24 IC4.46 IC5.5 IC5.17 IC5.24 IC5.32 IC5.33 IC7.3 IC7.4 IC8.7 IC9.6 IC9.7 IC10.25 IC11.25 IC12.7 IC12.18 IC12.21 IC12.25 IC12.26 IC13.1 IC14.11 IC14.37 IC15.1 IC16.1 IC17.2 IC17.8 IC18.10 IC20.1 IC21.4 IC22.3 IC23.2 IC23.4 IC24.2 IC25.3 IC26.3 JP7.3 JP9.3 JP16.2 JP18.2 L11.1 L14.2 L15.2 L19.2 L22.1 L23.2 L24.2 L31.1 L36.1 L38.1 L43.1 L45.1 LED7.K LED8.K LED9.K LED10.K LED13.K LED14.K LED15.K R6.1 R7.1 R8.1 R9.2 R10.2 R11.1 R13.2 R26.1 R28.1 R36.1 R37.2 R44.2 R58.1 R59.1 R68.1 R69.1 R74.1 R85.2 R86.1 R87.1 R89.2 R93.1 R100.2 R113.1 R114.1 R115.1 R116.1 R121.1 R122.1 R123.1 R125.1 R126.1 R128.1 R129.1 R131.1 R132.1 R133.1 R144.2 R145.2 R151.1 R171.2 R172.1 R173.1 R180.1 R181.1 R182.1 R183.1 R185.1 R186.1 R190.1 SW7.1 SW7.2 SW8.1 SW8.2 SW9.1 SW9.2 T3.1 T4.1 T4.4 T5.1 T5.4 T7.1 T7.4 T8.1 TP7.1 TP12.1 TP13.1 TP14.1 TP15.1 TP16.1 TP17.1 TP18.1 TP19.1 TP20.1 TP21.1 TP22.1 X1.39 X1.41 X1.83 X1.109 X1.147 X1.181 X1.197 X1.199 X2.L1 X3.B2 X3.B13 X3.B16 X3.B22 X3.B25 X3.B27 X3.B31 X4.2 X5.3 X5.11 X5.15 X5.19 X5.22 X5.C5 X6.1 X6.4 X6.7 X6.10 X6.17 X6.19 X6.21 X7.3 X7.8 X7.22 X7.36 X7.49 X7.50 X8.A3 X8.A8 X8.A22 X8.A36 X8.A49 X8.A50 X8.B3 X8.B8 X8.B22 X8.B36 X8.B49 X8.B50 X9.3 X9.8 X9.22 X9.36 X9.49 X9.50 X10.8 X10.22 X10.36 X10.44 X10.46 X10.50 X11.A8 X11.A22 X11.A36 X11.A44 X11.A46 X11.A50 X11.B8 X11.B22 X11.B36 X11.B44 X11.B46 X11.B50 X12.8 X12.22 X12.36 X12.44 X12.46 X12.50 X13.4 X13.6 X13.8 X13.10 X13.12 X13.14 X13.16 X13.18 X13.20 X14.10 X14.12 X14.14 X14.16 X15.3 X15.6 X15.S1 X15.S2 X15.S3 X15.S4 X16.1 X18.3 X18.6 X18.9 X18.12 X18.15 X18.18 X19.7 X19.S1 X19.S2 X20.1 X20.5 X20.12 X20.19 X20.26 X20.32 X20.41 X20.42 X21.12 X22.19 X22.20 X24.5 X24.6 X24.7 X24.8 X24.9 X24.10 X25.L5 X25.U5 X27.4 X29.4 X30.5 X34.1 X34.2 X34.14 X34.21 X34.29 X34.35 X36.8 X37.2 X37.4 | length 750.4